# Allegro board ultrasound_tnr_1000a_01_20171121.brd
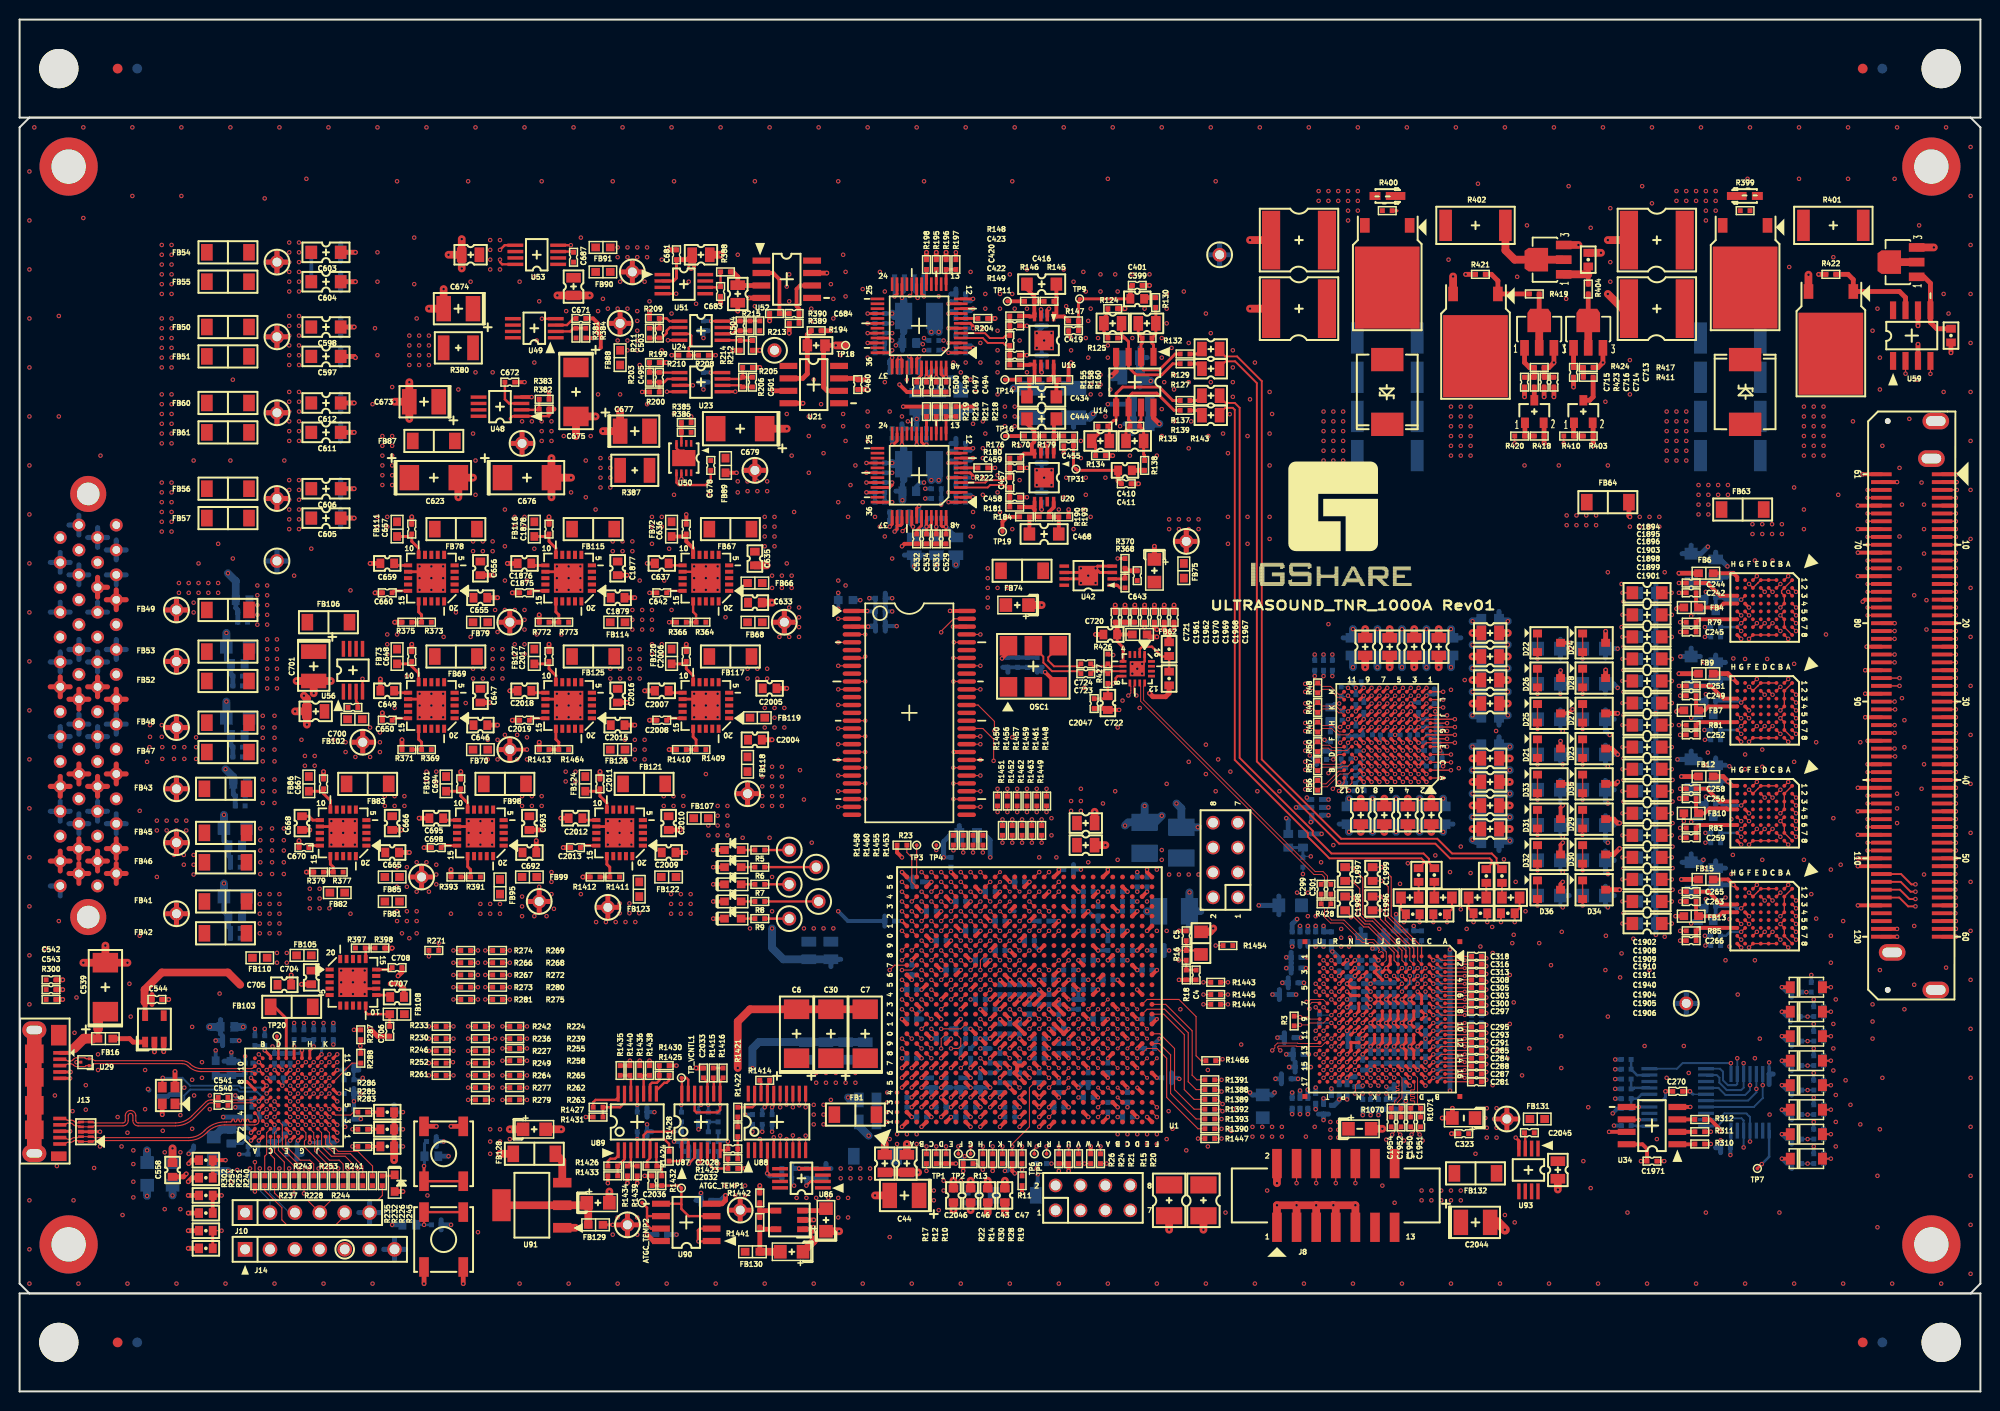
[diagram p0: board, top side]
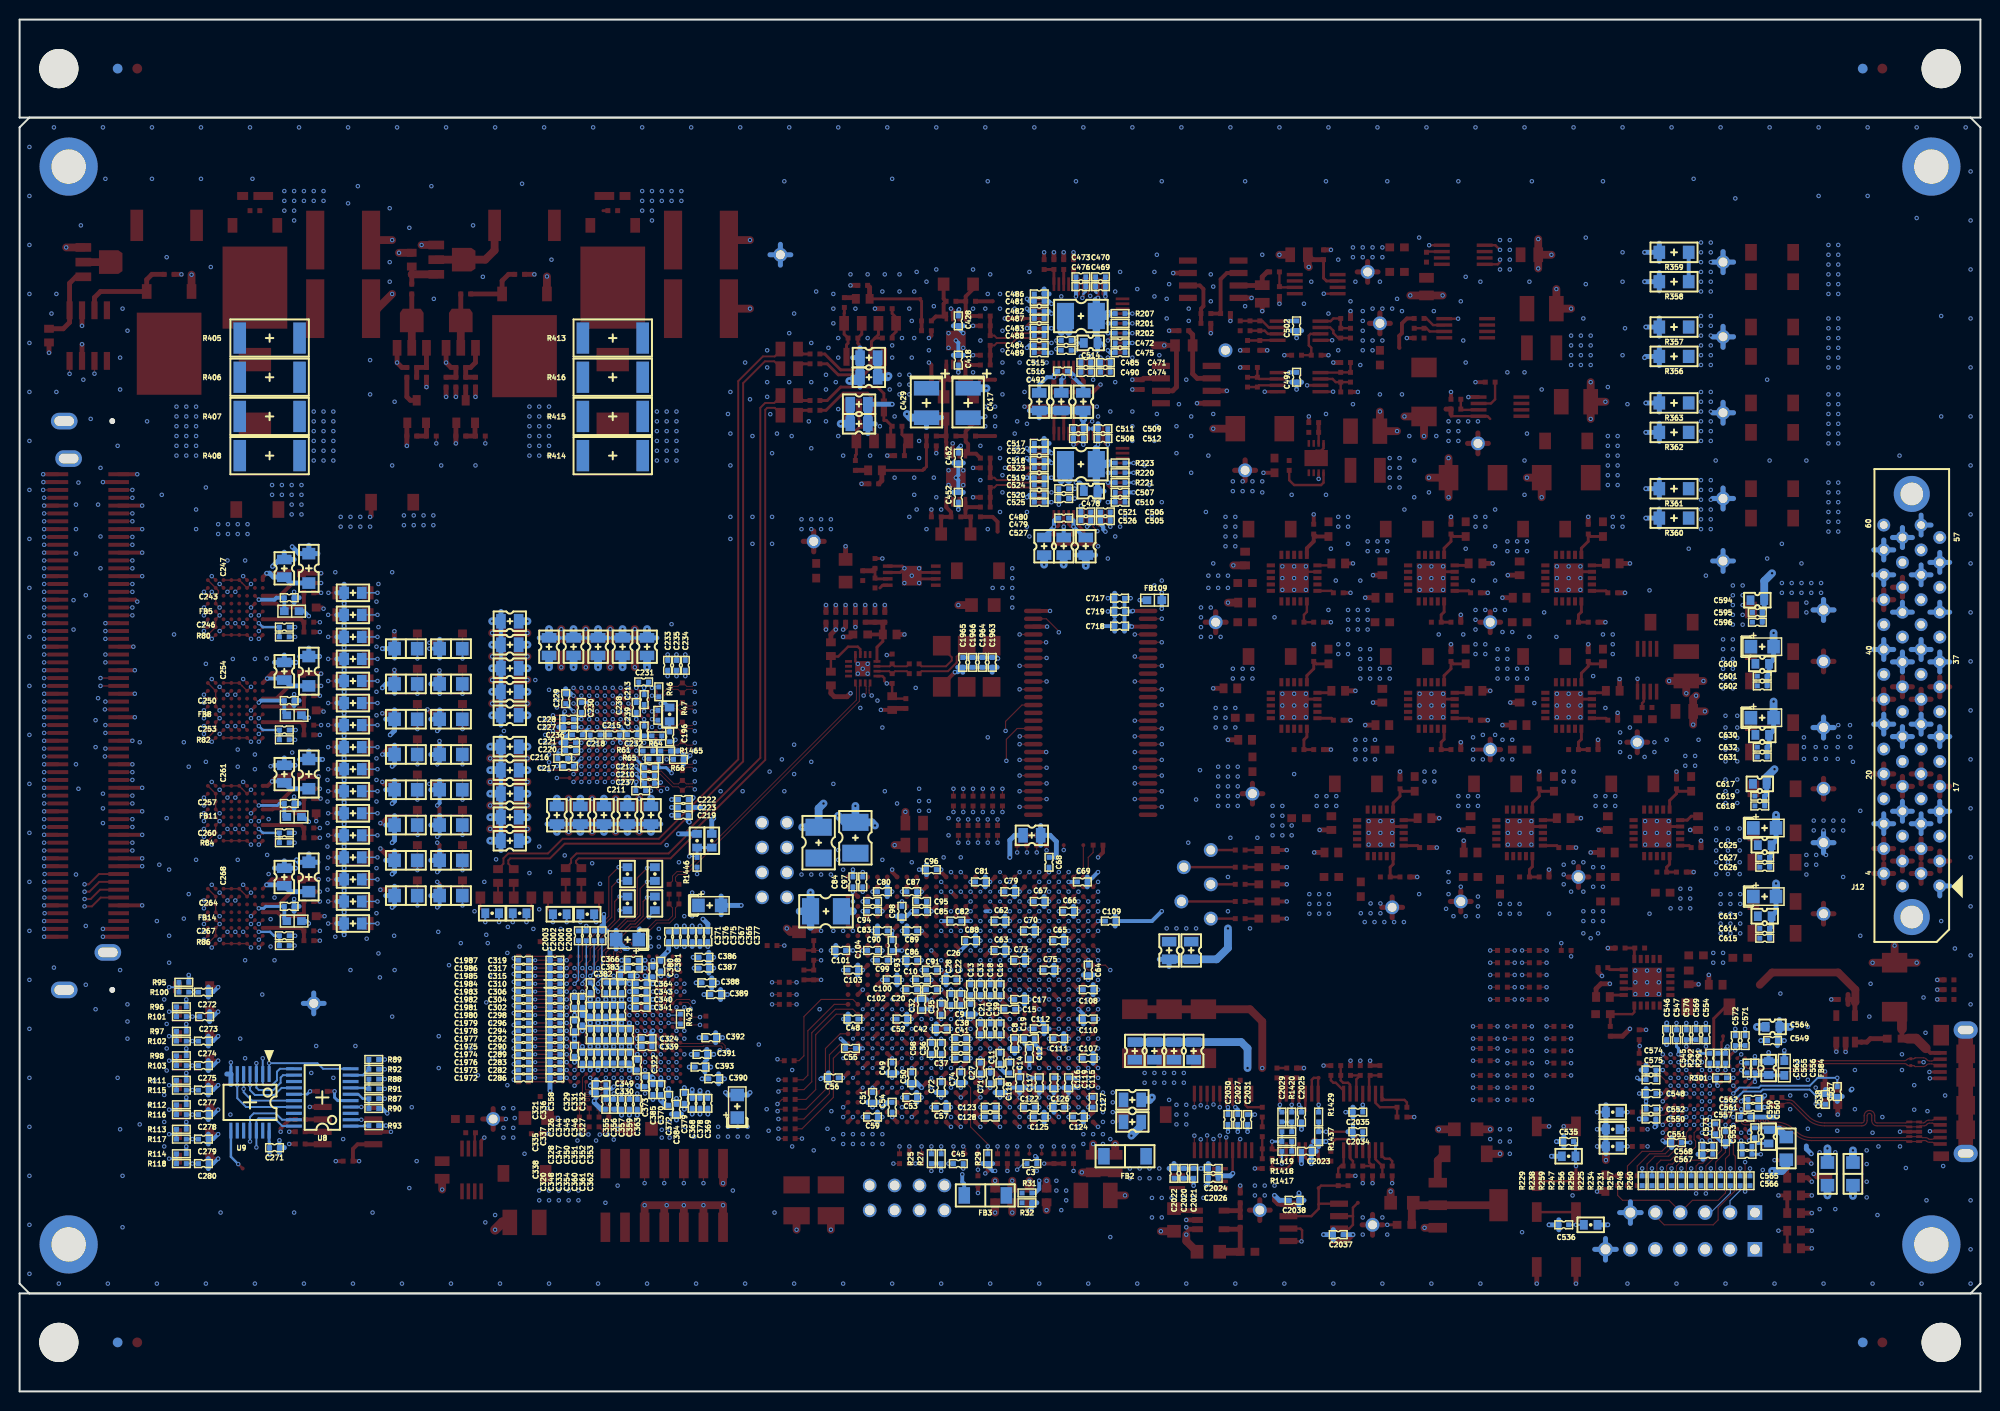
[diagram p1: board, bottom side, seen from below]

Outline 200 x 140 mm; copper layers: TOP, GND1, SIG1, GND2, VCC1, SIG2, GND3, SIG3, GND4, VCC2, GND5, SIG4, GND6, BOTTOM. Coordinates in mm from the lower left corner of the outline.
Outline path: 199,10 1,10 0,11 0,129 1,130 199,130 200,129 200,11 199,10 ; 199,10 0,10 0,0 200,0 200,10 199,10 ; 0,140 0,130 200,130 200,140 0,140

## Design rules (mm)
net group A1: nets A1 N03061
net group A2: nets A2 N03089
net group AFE_CLKN: nets AFE_CLKN N16879160
net group AFE_CLKP: nets AFE_CLKP N16879150
net group CLK_RSV_0: nets CLK_RSV_N0 CLK_RSV_P0
net group CLK_RSV_1: nets CLK_RSV_N1 CLK_RSV_P1
net group CW_CLKN_1X: nets CW_CLKN_1X N17010196
net group CW_CLKN_16X: nets CW_CLKN_16X N17010192
net group CW_CLKP_1X: nets CW_CLKP_1X N17010194
net group CW_CLKP_16X: nets CW_CLKP_16X N17010190
net group CW_I_ADIN: nets CW_I_ADINN CW_I_ADINP
net group CW_IP_OUT: nets CW_IP_OUTM CW_IP_OUTP
net group CW_Q_ADIN: nets CW_Q_ADINN CW_Q_ADINP
net group CW_QP_OUT: nets CW_QP_OUTM CW_QP_OUTP
net group DCLK: nets DCLKN DCLKP
net group DP1: nets DM DP
net group DQ0: nets DQ0 N00363
net group DQ1: nets DQ1 N00391
net group DQ2: nets DQ2 N01573
net group DQ3: nets DQ3 N01595
net group DQ4: nets DQ4 N01681
net group DQ5: nets DQ5 N01703
net group DQ6: nets DQ6 N01789
net group DQ7: nets DQ7 N01811
net group DQ8: nets DQ8 N02041
net group DQ9: nets DQ9 N02063
net group DQ10: nets DQ10 N02093
net group DQ11: nets DQ11 N02097
net group DQ12: nets DQ12 N02145
net group DQ13: nets DQ13 N02167
net group DQ14: nets DQ14 N02197
net group DQ15: nets DQ15 N02219
net group FCLK: nets FCLKN FCLKP
net group FLAGA: nets FLAGA N02738
net group FLAGB: nets FLAGB N02768
net group FLAGC: nets FLAGC N02772
net group FLAGD: nets FLAGD N02848
net group FPGA_CLK: nets FPGA_CLKN FPGA_CLKP
net group FPGA_INT: nets FPGA_INT N03525
net group FX3_CLK: nets FX3_CLK N02305
net group GPIO1: nets GPIO1 N03009
net group GPIO2: nets GPIO2 N03013
net group GPIO[50]: nets GPIO[50] N04916
net group GPIO[52]: nets GPIO[52] N05193
net group GPIO_RSV_0: nets GPIO_RSV_N0 GPIO_RSV_P0
net group GPIO_RSV_1: nets GPIO_RSV_N1 GPIO_RSV_P1
net group LVOUT_CH0: nets LVOUT_CH0 N17033897
net group LVOUT_CH1: nets LVOUT_CH1 N17033924
net group LVOUT_CH2: nets LVOUT_CH2 N17033949
net group LVOUT_CH3: nets LVOUT_CH3 N17033965
net group LVOUT_CH4: nets LVOUT_CH4 N17033999
net group LVOUT_CH5: nets LVOUT_CH5 N17034024
net group LVOUT_CH6: nets LVOUT_CH6 N17034049
net group LVOUT_CH7: nets LVOUT_CH7 N17034074
net group LVOUT_CH8: nets LVOUT_CH8 N17034099
net group LVOUT_CH9: nets LVOUT_CH9 N17034115
net group LVOUT_CH10: nets LVOUT_CH10 N17034140
net group LVOUT_CH11: nets LVOUT_CH11 N17034165
net group LVOUT_CH12: nets LVOUT_CH12 N17034196
net group LVOUT_CH13: nets LVOUT_CH13 N17034219
net group LVOUT_CH14: nets LVOUT_CH14 N17034233
net group LVOUT_CH15: nets LVOUT_CH15 N17034256
net group OSC40_N: nets N26342 OSC40_N
net group OSC40_P: nets N26253 OSC40_P
net group PKTEND#: nets N02820 PKTEND#
net group PLS_CLK: nets PLS_CLKN PLS_CLKP
net group PLS_DATA_0: nets PLS_DATA_N0 PLS_DATA_P0
net group PLS_DATA_1: nets PLS_DATA_N1 PLS_DATA_P1
net group PLS_DATA_2: nets PLS_DATA_N2 PLS_DATA_P2
net group PLS_DATA_3: nets PLS_DATA_N3 PLS_DATA_P3
net group PLS_ENABLE: nets PLS_ENABLE_N PLS_ENABLE_P
net group PLS_SYS_CLK: nets PLS_SYS_CLKN PLS_SYS_CLKP
net group PLS_TRIGER: nets PLS_TRIGER_N PLS_TRIGER_P
net group PMODE0: nets N03351 PMODE0
net group PMODE1: nets N03347 PMODE1
net group PMODE2: nets N03403 PMODE2
net group REF_2V5P: nets N128755 REF_2V5P
net group SLCS#: nets N02435 SLCS#
net group SLOE#: nets N02668 SLOE#
net group SLRD#: nets N02716 SLRD#
net group SLWR#: nets N02664 SLWR#
net group SPI_CLOCK: nets N05266 SPI_CLOCK
net group SPI_MISO: nets N05396 SPI_MISO
net group SPI_MOSI: nets N05461 SPI_MOSI
net group SPI_SSN: nets N05331 SPI_SSN
net group SS_RX: nets SS_RX_M SS_RX_P
net group SS_TX_M: nets N16749656 SS_TX_M
net group SS_TX_P: nets N16749662 SS_TX_P
net group VREFN: nets VREFN VREFP
net group A3V3P_VCNTL: nets N538467
net group HVMUX_CLR: nets HVMUX_CLR N16777361_30 HVMUX_HVMUX1 N16777361_30 HVMUX_HVMUX03 N16777361_30 HVMUX_HVMUX3 N16777361_30 HVMUX_HVMUX04
net group HVMUX_EN: nets HVMUX_EN N16777331_30 HVMUX_HVMUX1 N16777331_30 HVMUX_HVMUX03 N16777331_30 HVMUX_HVMUX3 N16777331_30 HVMUX_HVMUX04
net group N34473: nets N34473
net group SD_A: nets SD_A0 SD_A1 SD_A2 SD_A3 SD_A4 SD_A5 SD_A6 SD_A7 SD_A8 SD_A9 SD_A10 SD_A11
net group SD_SQ: nets SD_CLK SD_DQ0 SD_DQ1 SD_DQ2 SD_DQ3 SD_DQ4 SD_DQ5 SD_DQ6 SD_DQ7 SD_DQ8 SD_DQ9 SD_DQ10 SD_DQ11 SD_DQ12 SD_DQ13 SD_DQ14 SD_DQ15

## Placement (name value [footprint] x y rotation side)
ATGC_TEMP1  TP  [TP0_5_SMD]  67.5 20.75 0 top
ATGC_TEMP2  TP  [TP0_5_SMD]  63.5 19.25 0 top
C3  10pF  [CC1005]  96.75 23.25 180 bottom
C4  10nF  [CC1005]  120 42.5 270 top
C5  10nF  [CC1005]  119 46.5 90 top
C6  330uF  [TC6032]  79.25 36.5 90 top
C7  330uF  [TC6032]  86.25 36.5 90 top
C8  100nF  [CC1005]  98.5 35.5 270 bottom
C9  100nF  [CC1005]  103 39 270 bottom
C10  100nF  [CC1005]  108 42 0 bottom
C11  100nF  [CC1005]  100 34 270 bottom
C12  100nF  [CC1005]  97 34.5 270 bottom
C13  100nF  [CC1005]  103 41 90 bottom
C14  100nF  [CC1005]  99 33 270 bottom
C15  100nF  [CC1005]  99 39 180 bottom
C16  100nF  [CC1005]  100 41 270 bottom
C17  100nF  [CC1005]  98 40 180 bottom
C18  100nF  [CC1005]  101 41 90 bottom
C19  100nF  [CC1005]  97 36 180 bottom
C20  100nF  [CC1005]  107 41 0 bottom
C21  100nF  [CC1005]  102 37 90 bottom
C22  100nF  [CC1005]  104 40 90 bottom
C26  100nF  [CC1005]  105 42 0 bottom
C27  100nF  [CC1005]  102 33 270 bottom
C28  100nF  [CC1005]  105 40 90 bottom
C29  10uF  [CC2012]  84.25 34.75 90 bottom
C30  330uF  [TC6032]  82.75 36.5 90 top
C31  10uF  [CC2012]  80.25 34.75 90 bottom
C32  100nF  [CC1005]  108 39.5 90 bottom
C33  100nF  [CC1005]  102 41 270 bottom
C35  100nF  [CC1005]  106 39 90 bottom
C36  100nF  [CC1005]  106 35 90 bottom
C37  100nF  [CC1005]  104 34 0 bottom
C38  100nF  [CC1005]  104 36 0 bottom
C39  100nF  [CC1005]  100 37 270 bottom
C40  100nF  [CC1005]  101 37 90 bottom
C41  100nF  [CC1005]  104 35 180 bottom
C42  100nF  [CC1005]  106 37 0 bottom
C43  4.7uF  [CC1608]  98.75 20 270 top
C44  47uF  [TC3528]  90.25 20 180 top
C45  100nF  [CC1005]  104.25 23.25 0 bottom
C46  4.7uF  [CC1608]  97 20 270 top
C47  4.7uF  [CC1608]  100.5 20 270 top
C48  100nF  [CC1005]  115 38 0 bottom
C49  100nF  [CC1005]  111 33 270 bottom
C50  100nF  [CC1005]  109 32 270 bottom
C51  100nF  [CC1005]  113 30 270 bottom
C52  100nF  [CC1005]  110 38 180 bottom
C53  100nF  [CC1005]  109 30 180 bottom
C54  100nF  [CC1005]  111 29 90 bottom
C55  100nF  [CC1005]  115.25 35 0 bottom
C56  100nF  [CC1005]  117 32 0 bottom
C57  100nF  [CC1005]  106 29 180 bottom
C58  100nF  [CC1005]  107 35 270 bottom
C59  100nF  [CC1005]  113 28 180 bottom
C60  100uF  [CC3225]  120.75 19.5 270 top
C61  100uF  [CC3225]  117.25 19.5 270 top
C62  100nF  [CC1005]  100 48 180 bottom
C63  100nF  [CC1005]  100 45 180 bottom
C64  100nF  [CC1005]  91 43 270 bottom
C65  100nF  [CC1005]  94 46 180 bottom
C66  100nF  [CC1005]  93 49 180 bottom
C67  100nF  [CC1005]  96 50 180 bottom
C68  100nF  [CC1005]  95 54 90 bottom
C69  100nF  [CC1005]  91.6 52 180 bottom
C70  100nF  [CC1005]  97 47 180 bottom
C71  100nF  [CC1005]  101 32 270 bottom
C72  100nF  [CC1005]  106 31 270 bottom
C73  100nF  [CC1005]  98 44 180 bottom
C74  100nF  [CC1005]  104 32 270 bottom
C75  100nF  [CC1005]  95 43 180 bottom
C76  10uF  [CC2012]  96.75 56.75 180 bottom
C77  10uF  [CC2012]  80.5 45 270 bottom
C78  10uF  [CC2012]  108.75 58 0 top
C79  100nF  [CC1005]  99 51 180 bottom
C80  100nF  [CC1005]  112 51 180 bottom
C81  100nF  [CC1005]  102 52 180 bottom
C82  100nF  [CC1005]  104.5 48 0 bottom
C83  100nF  [CC1005]  113 49 180 bottom
C84  100nF  [CC1005]  115 52 270 bottom
C85  100nF  [CC1005]  108 49 0 bottom
C86  100nF  [CC1005]  109 44 0 bottom
C87  100nF  [CC1005]  109 51 180 bottom
C88  100nF  [CC1005]  103 46 180 bottom
C89  100nF  [CC1005]  109 47 0 bottom
C90  100nF  [CC1005]  112 47 0 bottom
C91  100nF  [CC1005]  107 43 0 bottom
C92  100uF  [CC3225]  118.5 56 90 bottom
C93  100nF  [CC1005]  111 45.5 270 bottom
C94  100nF  [CC1005]  113 50 180 bottom
C95  100nF  [CC1005]  108 50 0 bottom
C96  100nF  [CC1005]  107 53.25 0 bottom
C97  100nF  [CC1005]  114 52 90 bottom
C98  100nF  [CC1005]  110 49 270 bottom
C99  100nF  [CC1005]  112 44 0 bottom
C100  100nF  [CC1005]  111 42 180 bottom
C101  100nF  [CC1005]  116.25 45 0 bottom
C102  100nF  [CC1005]  109 41 180 bottom
C103  100nF  [CC1005]  115 43 180 bottom
C104  100nF  [CC1005]  113 45 180 bottom
C105  100uF  [CC3225]  114.75 56.5 90 bottom
C106  100uF  [CC3225]  117.75 49 0 bottom
C107  100nF  [CC1005]  91 34 180 bottom
C108  100nF  [CC1005]  91 41 180 bottom
C109  100nF  [CC1005]  88.75 48 180 bottom
C110  100nF  [CC1005]  91 38 0 bottom
C111  100nF  [CC1005]  94 36 180 bottom
C112  100nF  [CC1005]  96 37 180 bottom
C113  10uF  [CC2012]  82.75 45 270 bottom
C114  10uF  [CC2012]  108.75 55.75 0 top
C115  100nF  [CC1005]  93 31.5 270 bottom
C116  100nF  [CC1005]  96 31.5 270 bottom
C117  100nF  [CC1005]  98 31.5 270 bottom
C118  100nF  [CC1005]  100 31 270 bottom
C119  100nF  [CC1005]  94.5 31.5 270 bottom
C120  10uF  [CC2012]  86.5 27.5 180 bottom
C121  10uF  [CC2012]  86.5 29.75 180 bottom
C122  100nF  [CC1005]  97 29 180 bottom
C123  100nF  [CC1005]  101 29 180 bottom
C124  100nF  [CC1005]  92 28 180 bottom
C125  100nF  [CC1005]  96 28 180 bottom
C126  100nF  [CC1005]  94 29 0 bottom
C127  100nF  [CC1005]  90.5 29.5 90 bottom
C128  100nF  [CC1005]  101 28 0 bottom
C129  10uF  [CC2012]  88.25 23.25 270 top
C130  10uF  [CC2012]  90.5 23.25 270 top
C141  470nF  [CC2012]  150 61 0 bottom
C142  470nF  [CC2012]  150 64.6 0 top
C143  470nF  [CC2012]  150 59.8 0 top
C144  470nF  [CC2012]  150 62.2 0 top
C145  470nF  [CC2012]  150 65.8 0 bottom
C146  470nF  [CC2012]  150 57.4 0 top
C147  470nF  [CC2012]  150 63.4 0 bottom
C148  470nF  [CC2012]  150 58.6 0 bottom
C149  470nF  [CC2012]  150 56.2 0 bottom
C150  470nF  [CC2012]  135.6 58.8 270 bottom
C151  470nF  [CC2012]  142.8 58.8 270 bottom
C152  470nF  [CC2012]  141.6 58.8 270 top
C153  470nF  [CC2012]  139.2 58.8 270 top
C154  470nF  [CC2012]  144 58.8 270 top
C155  470nF  [CC2012]  145.2 58.8 270 bottom
C156  470nF  [CC2012]  138 58.8 270 bottom
C157  470nF  [CC2012]  140.4 58.8 270 bottom
C158  470nF  [CC2012]  136.8 58.8 270 top
C163  470nF  [CC2012]  150 72.6 0 top
C164  470nF  [CC2012]  150 78.6 0 bottom
C165  470nF  [CC2012]  150 75 0 top
C166  470nF  [CC2012]  150 77.4 0 top
C167  470nF  [CC2012]  150 70.2 0 top
C168  470nF  [CC2012]  150 69 0 bottom
C169  470nF  [CC2012]  150 71.4 0 bottom
C170  470nF  [CC2012]  150 73.8 0 bottom
C171  470nF  [CC2012]  150 76.2 0 bottom
C172  470nF  [CC2012]  139.75 76 90 top
C173  470nF  [CC2012]  137.25 76 90 top
C174  470nF  [CC2012]  138.5 76 90 bottom
C175  470nF  [CC2012]  143.5 76 90 bottom
C176  470nF  [CC2012]  144.75 76 90 top
C177  470nF  [CC2012]  136 76 90 bottom
C178  470nF  [CC2012]  141 76 90 bottom
C179  470nF  [CC2012]  146 76 90 bottom
C180  470nF  [CC2012]  142.25 76 90 top
C196  100nF  [CC1005]  133.7 66.8 270 bottom
C210  100nF  [CC1005]  135.75 62.85 180 bottom
C211  100nF  [CC1005]  136.65 61.3 180 bottom
C212  100nF  [CC1005]  135.75 63.65 180 bottom
C213  100nF  [CC1005]  136.3 70.6 90 bottom
C215  100nF  [CC1005]  139.3 67 0 bottom
C216  100nF  [CC1005]  144.6 64.6 0 bottom
C217  100nF  [CC1005]  144 63.8 0 bottom
C218  100nF  [CC1005]  141.3 67 180 bottom
C219  100nF  [CC1005]  132.3 58.8 180 bottom
C220  100nF  [CC1005]  143.8 65.4 0 bottom
C221  100nF  [CC1005]  143.8 66.2 0 bottom
C222  100nF  [CC1005]  132.3 60.4 180 bottom
C223  100nF  [CC1005]  132.3 59.6 180 bottom
C227  100nF  [CC1005]  144 67.8 0 bottom
C228  100nF  [CC1005]  144 68.6 0 bottom
C229  100nF  [CC1005]  144.3 70.7 90 bottom
C230  100nF  [CC1005]  142.7 69.8 90 bottom
C231  100nF  [CC1005]  136.35 72.4 180 bottom
C232  100nF  [CC1005]  137.5 67 180 bottom
C233  100nF  [CC1005]  133.9 74.1 90 bottom
C234  100nF  [CC1005]  132.1 74.1 90 bottom
C235  100nF  [CC1005]  133 74.1 90 bottom
C236  100nF  [CC1005]  143.1 67 0 bottom
C237  100nF  [CC1005]  135.75 62.05 180 bottom
C238  100nF  [CC1005]  137.1 69.8 270 bottom
C239  100nF  [CC1005]  136.3 67.4 270 bottom
C242  100nF  [CC1005]  170.5 81.5 180 top
C243  100nF  [CC1005]  172.5 81 180 bottom
C244  100nF  [CC1005]  170.5 82.5 180 top
C245  10nF  [CC1005]  170.5 77.5 180 top
C246  10nF  [CC1005]  173 78 180 bottom
C247  100nF  [CC3216]  170.5 84 90 bottom
C248  10nF  [CC2012]  173 84 90 bottom
C249  100nF  [CC1005]  170.5 71 180 top
C250  100nF  [CC1005]  172.5 70.5 180 bottom
C251  100nF  [CC1005]  170.5 72 180 top
C252  10nF  [CC1005]  170.5 67 180 top
C253  10nF  [CC1005]  173 67.5 180 bottom
C254  100nF  [CC3216]  170.5 73.5 90 bottom
C255  10nF  [CC2012]  173 73.5 90 bottom
C256  100nF  [CC1005]  170.5 60.5 180 top
C257  100nF  [CC1005]  172.5 60 180 bottom
C258  100nF  [CC1005]  170.5 61.5 180 top
C259  10nF  [CC1005]  170.5 56.5 180 top
C260  10nF  [CC1005]  173 57 180 bottom
C261  100nF  [CC3216]  170.5 63 90 bottom
C262  10nF  [CC2012]  173 63 90 bottom
C263  100nF  [CC1005]  170.5 50 180 top
C264  100nF  [CC1005]  172.5 49.5 180 bottom
C265  100nF  [CC1005]  170.5 51 180 top
C266  10nF  [CC1005]  170.5 46 180 top
C267  10nF  [CC1005]  173 46.5 180 bottom
C268  100nF  [CC3216]  170.5 52.5 90 bottom
C269  10nF  [CC2012]  173 52.5 90 bottom
C270  100nF  [CC1005]  169.12 30.62 0 top
C271  100nF  [CC1005]  174 24.88 180 bottom
C272  22pF  [CC1005]  181.25 40.75 180 bottom
C273  22pF  [CC1005]  181.12 38.25 180 bottom
C274  22pF  [CC1005]  181.25 35.75 180 bottom
C275  22pF  [CC1005]  181.25 33.25 180 bottom
C277  22pF  [CC1005]  181.25 30.75 180 bottom
C278  22pF  [CC1005]  181.25 28.25 180 bottom
C279  22pF  [CC1005]  181.25 25.75 180 bottom
C280  22pF  [CC1005]  181.25 23.25 180 bottom
C281  100nF  [CC1005]  148.6 31.6 180 top
C282  15nF  [CC1005]  145.4 32.8 180 bottom
C283  15nF  [CC1005]  145.4 33.6 180 bottom
C284  100nF  [CC1005]  148.6 34 180 top
C285  100nF  [CC1005]  148.6 34.8 180 top
C286  15nF  [CC1005]  145.4 32 180 bottom
C287  100nF  [CC1005]  148.6 32.4 180 top
C288  100nF  [CC1005]  148.6 33.2 180 top
C289  15nF  [CC1005]  145.4 34.4 180 bottom
C290  15nF  [CC1005]  145.4 35.2 180 bottom
C291  100nF  [CC1005]  148.6 35.6 180 top
C292  15nF  [CC1005]  145.4 36 180 bottom
C293  100nF  [CC1005]  148.6 36.4 180 top
C294  15nF  [CC1005]  145.4 36.8 180 bottom
C295  100nF  [CC1005]  148.6 37.2 180 top
C296  15nF  [CC1005]  145.4 37.6 180 bottom
C297  100nF  [CC1005]  148.6 38.8 180 top
C298  15nF  [CC1005]  145.4 38.4 180 bottom
C299  100nF  [CC1005]  132.75 51.25 270 top
C300  100nF  [CC1005]  148.6 39.6 180 top
C301  100nF  [CC1005]  133.75 51.25 270 top
C302  15nF  [CC1005]  145.4 39.2 180 bottom
C303  100nF  [CC1005]  148.6 40.4 180 top
C304  15nF  [CC1005]  145.4 40 180 bottom
C305  100nF  [CC1005]  148.6 41.2 180 top
C306  15nF  [CC1005]  145.4 40.8 180 bottom
C308  100nF  [CC1005]  148.6 42 180 top
C310  15nF  [CC1005]  145.4 41.6 180 bottom
C313  100nF  [CC1005]  148.6 42.8 180 top
C315  15nF  [CC1005]  145.4 42.4 180 bottom
C316  100nF  [CC1005]  148.6 43.6 180 top
C317  15nF  [CC1005]  145.4 43.2 180 bottom
C318  100nF  [CC1005]  148.6 44.4 180 top
C319  15nF  [CC1005]  145.4 44 180 bottom
C320  100nF  [CC1005]  142.6 34 270 bottom
C321  100nF  [CC1005]  143.4 39.7 90 bottom
C322  100nF  [CC1005]  137 33.3 270 bottom
C323  100nF  [CC1005]  147.3 26.3 180 top
C324  100nF  [CC1005]  136 36 180 bottom
C325  10uF  [TC2012]  138 46.1 0 bottom
C326  100nF  [CC1005]  141.8 38.8 270 bottom
C327  100nF  [CC1005]  138.6 38.8 270 bottom
C328  100nF  [CC1005]  141.8 36.4 90 bottom
C329  100nF  [CC1005]  140.2 41.2 90 bottom
C330  100nF  [CC1005]  140.7 30.5 0 bottom
C331  100nF  [CC1005]  139.4 41.2 90 bottom
C332  100nF  [CC1005]  138.6 41.2 90 bottom
C333  100nF  [CC1005]  141 34 270 bottom
C334  10uF  [TC2012]  136.7 26.8 0 top
C335  100nF  [CC1005]  143.4 37.3 270 bottom
C336  100nF  [CC1005]  142.6 39.7 270 bottom
C337  100nF  [CC1005]  142.6 37.9 90 bottom
C338  100nF  [CC1005]  143.4 34.7 90 bottom
C339  100nF  [CC1005]  136 35.2 180 bottom
C340  100nF  [CC1005]  136.6 40 180 bottom
C341  100nF  [CC1005]  136.6 39.2 180 bottom
C342  10uF  [TC2012]  147.3 27.9 180 top
C343  100nF  [CC1005]  136.6 40.8 180 bottom
C344  100nF  [CC1005]  141 38.8 270 bottom
C345  100nF  [CC1005]  140.2 38.8 270 bottom
C346  100nF  [CC1005]  139.4 38.8 270 bottom
C347  100nF  [CC1005]  141 36.4 90 bottom
C348  100nF  [CC1005]  141.8 34 270 bottom
C349  100nF  [CC1005]  140.7 31.3 0 bottom
C350  100nF  [CC1005]  140.2 36.4 90 bottom
C351  100nF  [CC1005]  139.4 36.4 90 bottom
C352  100nF  [CC1005]  138.6 36.4 90 bottom
C353  100nF  [CC1005]  137.8 36.4 90 bottom
C354  100nF  [CC1005]  140.2 34 270 bottom
C355  100nF  [CC1005]  140.2 29.3 270 bottom
C356  100nF  [CC1005]  139.4 29.3 270 bottom
C357  100nF  [CC1005]  138.6 29.3 270 bottom
C358  100nF  [CC1005]  141.8 41.2 90 bottom
C359  100nF  [CC1005]  137.8 29.3 270 bottom
C360  100nF  [CC1005]  139.4 34 270 bottom
C361  100nF  [CC1005]  138.6 34 270 bottom
C362  100nF  [CC1005]  137.8 34 270 bottom
C363  100nF  [CC1005]  137 29.3 270 bottom
C364  100nF  [CC1005]  136.6 41.6 0 bottom
C365  100nF  [CC1005]  130.6 46.4 270 bottom
C366  100nF  [CC1005]  137.4 44 0 bottom
C367  100nF  [CC1005]  131.4 46.4 270 bottom
C368  100nF  [CC1005]  131.4 29.4 270 bottom
C369  100nF  [CC1005]  129.8 29.4 270 bottom
C370  100nF  [CC1005]  134.6 30.8 270 bottom
C371  100nF  [CC1005]  133.8 46.4 270 bottom
C372  100nF  [CC1005]  133.8 29.7 270 bottom
C373  100nF  [CC1005]  136.2 31.6 270 bottom
C374  10uF  [TC2012]  129.6 49.6 180 bottom
C375  100nF  [CC1005]  132.2 46.4 270 bottom
C376  100nF  [CC1005]  133 46.4 270 bottom
C377  100nF  [CC1005]  129.8 46.4 270 bottom
C378  100nF  [CC1005]  130.6 29.4 270 bottom
C379  100nF  [CC1005]  132.2 29.9 270 bottom
C380  100nF  [CC1005]  135.4 42.8 270 bottom
C381  100nF  [CC1005]  134.6 43.4 90 bottom
C382  100nF  [CC1005]  138.2 42.4 0 bottom
C383  100nF  [CC1005]  137.4 43.2 0 bottom
C384  100nF  [CC1005]  133 28.8 270 bottom
C385  100nF  [CC1005]  135.4 30.8 270 bottom
C386  100nF  [CC1005]  130.2 44.3 180 bottom
C387  100nF  [CC1005]  130.2 43.2 180 bottom
C388  100nF  [CC1005]  129.9 41.7 180 bottom
C389  100nF  [CC1005]  129 40.5 180 bottom
C390  100nF  [CC1005]  129.2 31.9 180 bottom
C391  100nF  [CC1005]  130.4 34.4 180 bottom
C392  100nF  [CC1005]  129.5 36.1 180 bottom
C393  100nF  [CC1005]  130.6 33.1 180 bottom
C394  10uF  [TC2012]  126.8 29.1 90 bottom
C395  1uF  [CC2012]  114.38 98.75 180 bottom
C396  3.3nF  [CC2012]  111.5 109 0 top
C397  100nF  [CC2012]  114.38 100.75 180 bottom
C398  1uF  [CC2012]  121.5 104.38 180 top
C399  4.7uF  [CC1608]  114 111.5 0 top
C400  1uF  [CC2012]  121.5 106.38 180 top
C401  150pF  [CC1005]  114 112.88 0 top
C402  100nF  [CC2012]  113.38 105.5 0 bottom
C403  1uF  [CC2012]  113.38 103.5 0 bottom
C404  3.3nF  [CC2012]  115 109 0 top
C406  3.3nF  [CC2012]  110.25 97 0 top